# Altium PCB SysUprTestUUUp.PcbDoc (part 3 of 4) (continued)
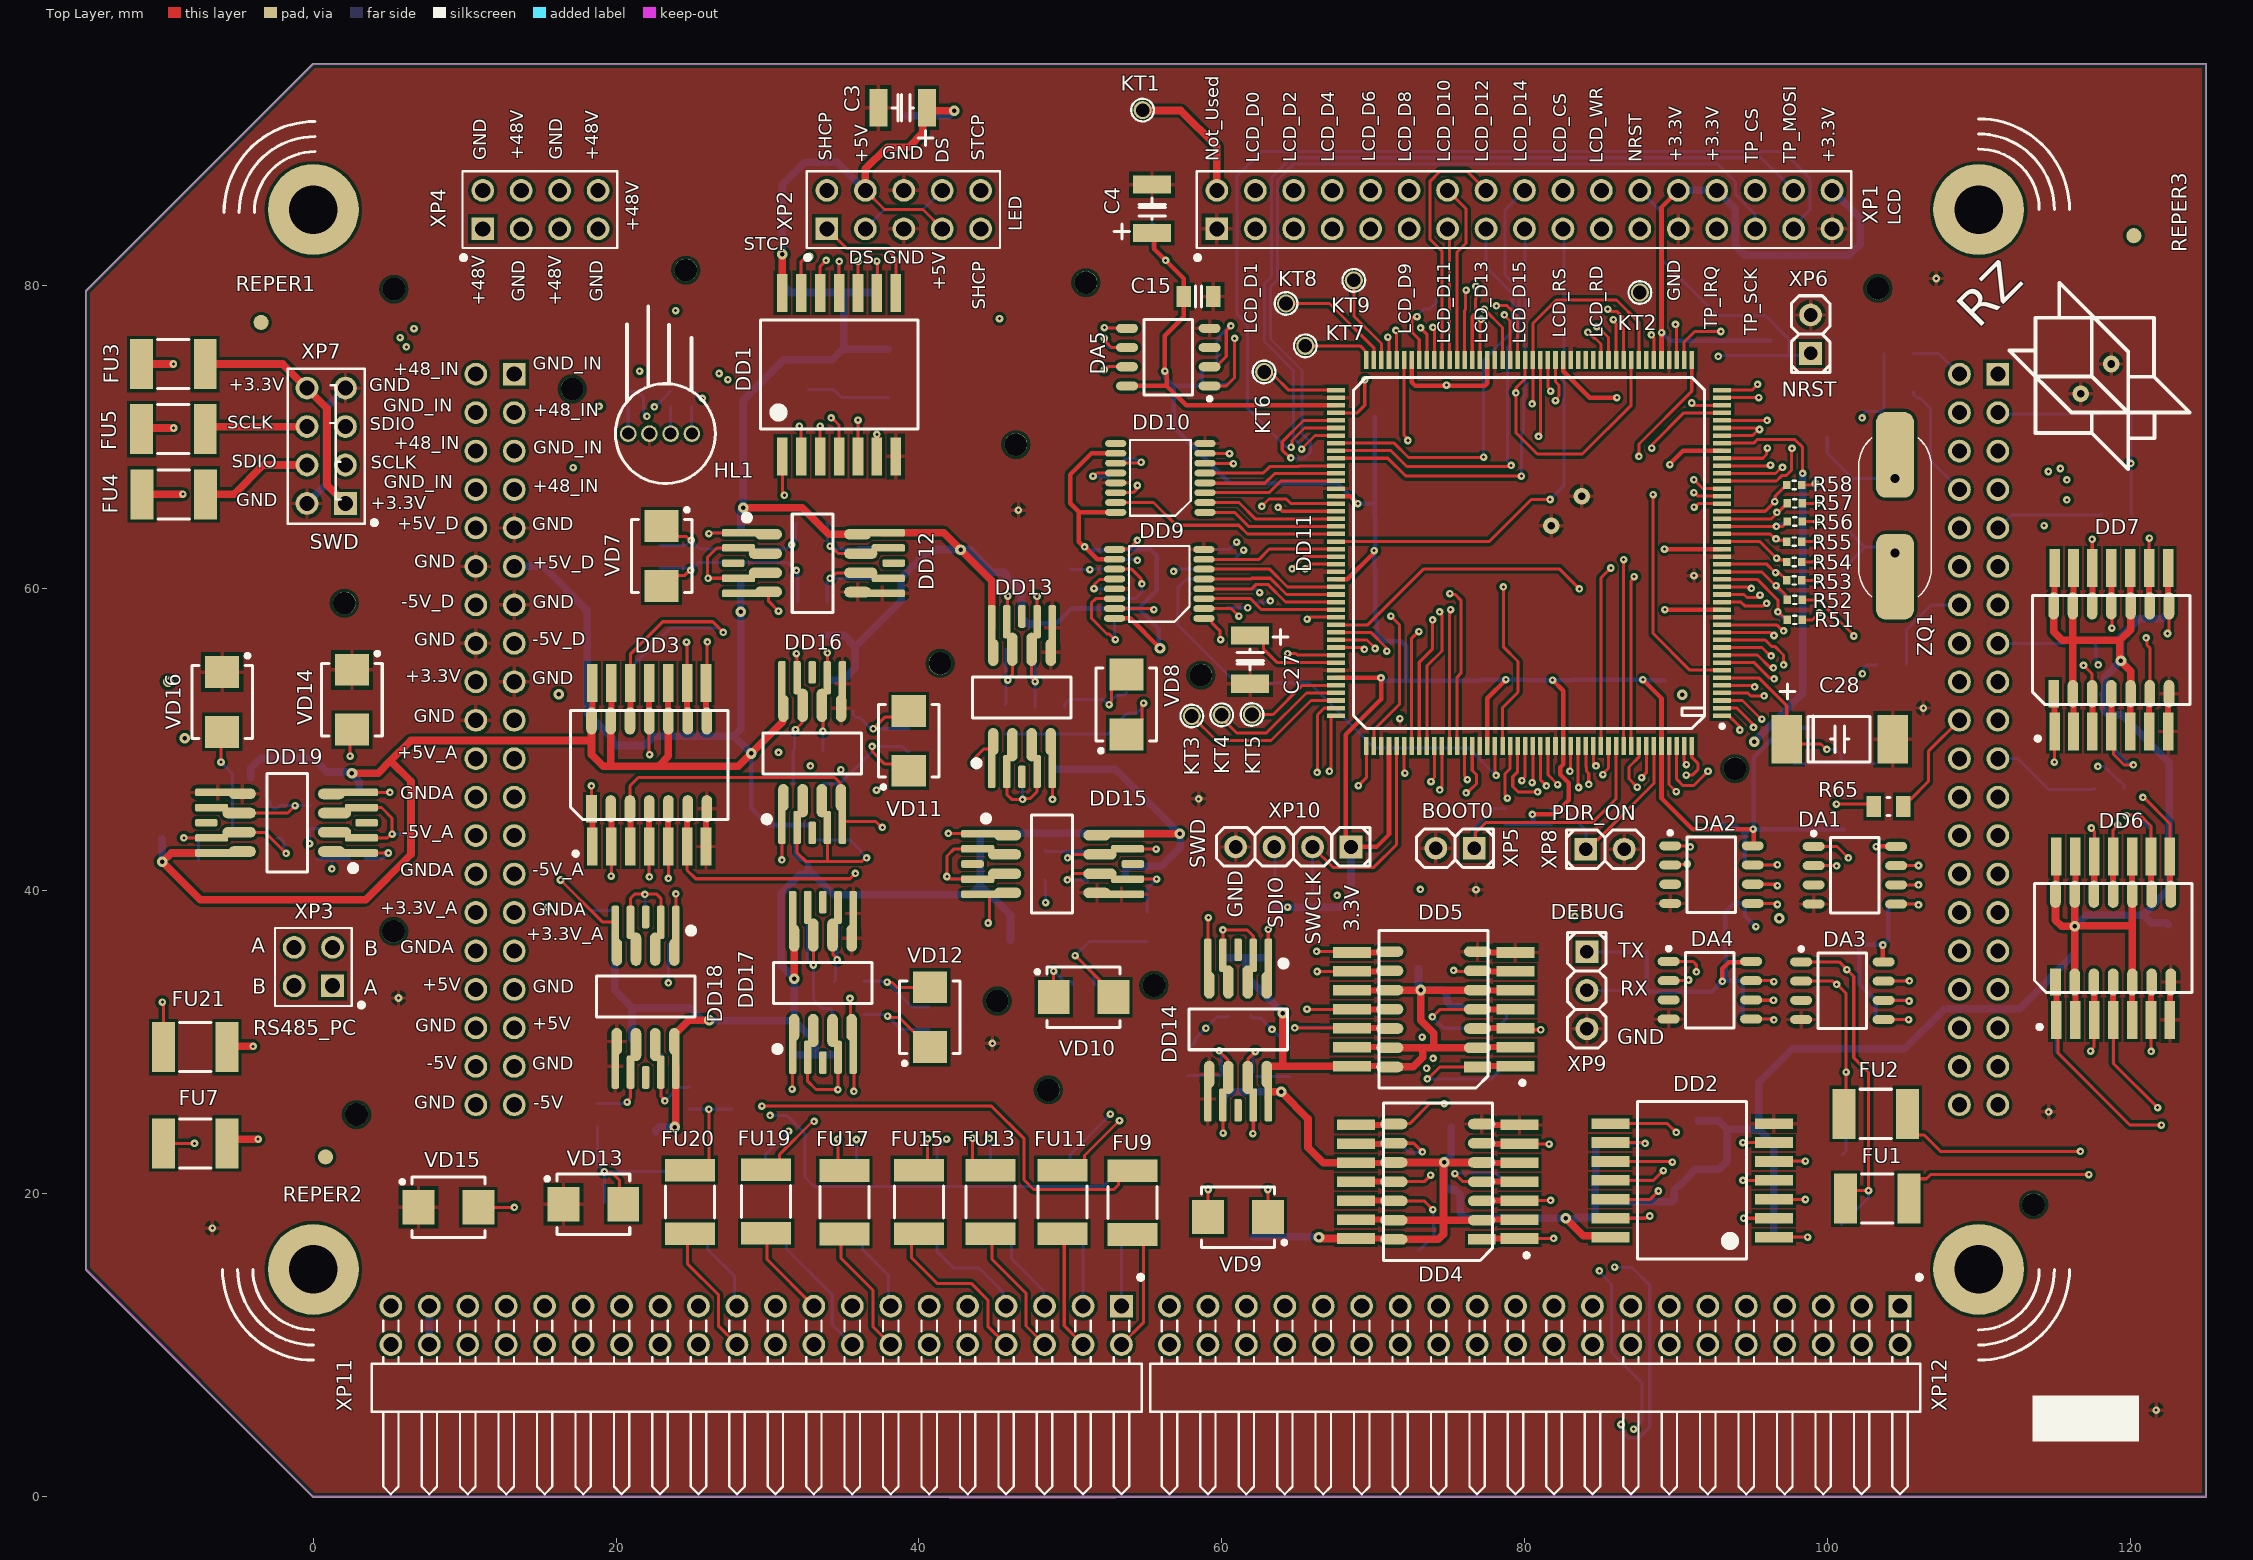
[diagram p0: Top Layer view]
## Nets (pads, with @x,y where several pads share a name; then routed paths per layer and width w, separated by ;. In a path a pad name is that pad's centre, name@x,y a point inside that pad or via, vN(x,y) a via of type N, cw(c..) or ccw(c..) an arc to the next point about the centre after c; other vN are vias at no path point) (continued)
  Top Layer w0.2: v1(63.075,37.45) 63.075,36.686 63.084,36.677 DD14.1@63.084,35.354
  Bottom Layer w0.2: R84.2@63.075,36.575 v1(63.075,37.45)
NetDD14_2: DD14.2 DD14.3 R85.2 | length 6
  Top Layer w0.2: DD14.3@60.084,35.754 60.084,36.677 60.075,36.686 v1(60.075,37.425) 61.675,37.425 62.084,37.016 DD14.2@62.084,35.754
  Bottom Layer w0.2: R85.2@60.075,36.575 v1(60.075,37.425)
NetDD14_6: DD14.6 R107.2 R113.2 R133.1 | length 8.9
  Top Layer w0.2: v1(59.825,29.425) 60.405,28.845 60.405,27.718 DD14.6@60.444,27.679 ; DD14.6@60.084,25.854 60.084,24.016 v1(60.1,24)
  Bottom Layer w0.2: R133.1@57.775,27.8 59.925,27.8 R113.2@60.125,28 59.999,28.126 59.999,29.197 59.825,29.371 v1(59.825,29.425) ; R107.2@60.075,25 60.075,24.025 v1(60.1,24)
NetDD14_7: DD14.7 R113.1 R119.2 R134.1 | length 8.5
  Top Layer w0.2: DD14.7@61.714,27.679 61.752,27.718 61.752,28.902 v1(62.225,29.375) ; v1(62.063,23.96) 62.084,23.981 DD14.7@62.084,25.854
  Bottom Layer w0.2: v1(62.063,23.96) 62.063,24.014 62.125,24.077 R119.2@62.125,25 ; R113.1@62.075,28 62.075,29.225 v1(62.225,29.375) ; R113.1@62.3,27.75 R134.1@64.475,27.75
NetDD15_1: DD15.1 R86.2 | length 3.4
  Top Layer w0.2: v1(41.95,43.8) 41.975,43.775 DD15.1@44.284,43.775
  Bottom Layer w0.2: v1(41.95,43.8) R86.2@43.05,43.8
NetDD15_2: DD15.2 DD15.3 R87.2 | length 7
  Top Layer w0.2: v1@41.85,40.775 DD15.3@43.884,40.775 ; v1@41.85,40.789 41.85,42.3 42.325,42.775 DD15.2@43.884,42.775
  Bottom Layer w0.2: v1(41.85,40.95) 41.931,40.95 42.081,40.8 R87.2@43.05,40.8
NetDD15_6: DD15.6 R108.2 R114.2 R135.1 | length 9.2
  Top Layer w0.2: v1(49.8,40.725) 50.21,41.135 DD15.6@51.959,41.135 ; DD15.6@53.784,40.775 54.707,40.775 v1(55.7,40.775)
  Bottom Layer w0.2: v1(49.8,40.725) 51.1,40.725 R114.2@51.175,40.65 ; R108.2@54.625,40.775 v1(55.7,40.775) 55.075,40.15 R135.1@55.075,38.6
NetDD15_7: DD15.7 R114.1 R120.2 R136.1 | length 8.5
  Top Layer w0.2: v1(49.825,42.175) 49.906,42.175 50.136,42.405 DD15.7@51.959,42.405 ; DD15.7@53.784,42.775 55.65,42.775 v1(55.675,42.75)
  Bottom Layer w0.2: R136.1@48.325,42.65 48.375,42.6 49.825,42.6 ; v1(49.825,42.175) 49.825,42.6 ; R114.1@51.175,42.6 49.825,42.6 ; R120.2@54.625,42.75 v1(55.675,42.75)
NetDD16_1: DD16.1 R88.2 | length 3.9
  Top Layer w0.2: v1(30.95,42.044) DD16.1@30.95,44.584
  Bottom Layer w0.2: R88.2@30.875,43.35 30.913,43.313 30.913,42.082 v1(30.95,42.044)
NetDD16_2: DD16.2 DD16.3 R89.2 | length 13.1
  Top Layer w0.2: DD16.2@31.95,44.184 31.95,42.525 32.525,41.95 33.95,41.95 ; DD16.3@33.95,44.184 33.95,41.95 ; v1(36.55,42.175) 36.469,42.175 36.244,41.95 33.95,41.95
  Bottom Layer w0.2: R89.2@32.825,43.35 35.475,43.35 36.14,42.685 36.14,42.585 v1(36.55,42.175)
NetDD16_6: DD16.6 R109.2 R115.2 R137.1 | length 6.8
  Top Layer w0.2: DD16.6@33.59,52.259 33.628,52.22 33.628,51.329 33.65,51.307 v1(33.65,50.55) ; DD16.6@33.95,54.084 v1(33.95,55.721)
  Bottom Layer w0.2: R115.2@33.65,49.279 v1(33.65,50.55) 33.65,50.604 33.7,50.654 R137.1@33.7,51.9 ; v1(33.95,55.721) 33.95,54.95 R109.2@33.975,54.925
NetDD16_7: DD16.7 R115.1 R121.2 R138.1 | length 7.8
  Top Layer w0.2: v1(31.85,50.65) 31.85,50.663 32.282,51.095 32.282,52.22 DD16.7@32.32,52.259 ; v1(31.9,55.675) 31.95,55.625 DD16.7@31.95,54.084
  Bottom Layer w0.2: R138.1@31.7,47.075 R115.1@31.7,49.279 31.778,49.357 31.778,50.524 31.85,50.596 v1(31.85,50.65) ; R121.2@31.875,54.925 31.875,55.65 v1(31.9,55.675)
NetDD17_1: DD17.1 R90.2 | length 3.8
  Top Layer w0.2: v1(31.624,26.905) 31.654,26.936 DD17.1@31.654,29.404
  Bottom Layer w0.2: v1(31.624,26.905) 31.637,26.918 31.637,28.175 R90.2@31.65,28.175
NetDD17_2: DD17.2 DD17.3 R91.2 | length 7.2
  Top Layer w0.2: DD17.2@32.654,29.004 32.654,27.421 33.2,26.875 v1(34.65,26.875) 34.65,28.077 34.654,28.081 DD17.3@34.654,29.004
  Bottom Layer w0.2: v1(34.65,26.875) R91.2@34.65,28.175
NetDD17_6: DD17.6 R110.2 R116.2 R139.1 | length 6.6
  Top Layer w0.2: DD17.6@34.294,37.079 34.333,37.041 34.333,35.772 34.6,35.504 v1(34.6,35.45)
  Bottom Layer w0.2: R139.1@34.425,34.029 34.478,34.082 34.478,35.274 34.6,35.396 v1(34.6,35.45) R116.2@34.6,36.8 34.65,36.85 R110.2@34.65,38.75
NetDD17_7: DD17.7 R116.1 R122.2 R140.1 | length 10
  Top Layer w0.2: v1@33.024,35.101 DD17.7@33.024,37.079
  Bottom Layer w0.2: R122.2@32.625,38.75 32.625,36.825 R116.1@32.65,36.8 32.65,35.485 33.025,35.11 v1(33.025,35.1) 33.025,32.825 33.607,32.243 34.2,32.243 34.2,32.05 R140.1@34.425,31.825
NetDD18_1: DD18.1 R95.2 | length 3.3
  Top Layer w0.2: DD18.1@23.95,37.525 v1(23.95,39.8)
  Bottom Layer w0.2: R95.2@23.95,38.75 v1(23.95,39.8)
NetDD18_6: DD18.6 R123.1 R127.2 R141.2 | length 7.4
  Top Layer w0.2: v1(20.725,26.05) 20.725,26.104 20.95,26.329 DD18.6@20.95,28.025
  Bottom Layer w0.2: R127.2@18.775,25.95 20.625,25.95 v1(20.725,26.05) 20.725,26.104 20.926,26.306 20.926,27.526 R123.1@20.95,27.55 21.05,27.65 R141.2@21.05,29.225
NetDD18_7: DD18.7 R103.1 R123.2 R124.2 | length 7.3
  Top Layer w0.2: DD18.7@22.95,28.025 22.95,26.454 23.225,26.179 v1(23.225,26.125)
  Bottom Layer w0.2: R103.1@23.025,29.204 23.025,27.675 R123.2@22.9,27.55 22.957,27.493 22.957,26.393 v1(23.225,26.125) 24.1,27 24.75,27 R124.2@24.825,27.075
NetDD19_1: DD19.1 R96.2 | length 3.9
  Top Layer w0.2: DD19.1@2.775,42.5 v1(4.95,42.5)
  Bottom Layer w0.2: R96.2@3.4,42.121 4.557,42.121 4.936,42.5 v1(4.95,42.5)
NetDD19_6: DD19.6 R125.1 R128.2 R142.2 | length 8.7
  Top Layer w0.2: DD19.6@-4.9,45.14 -1.693,45.14 v1(-1.208,45.625)
  Bottom Layer w0.2: R142.2@-3.125,47.475 -3.125,46.159 -2.866,45.9 -2.866,45.675 -2.641,45.45 R125.1@-2.416,45.45 -2.241,45.625 v1(-1.208,45.625) R128.2@-0.175,45.625
NetDD19_7: DD19.7 R104.1 R125.2 R126.2 | length 9.5
  Top Layer w0.2: v1(-8.55,43.5) DD19.7@-6.725,43.5 ; DD19.7@-4.9,43.87 -3.195,43.87 v1(-1.8,42.475)
  Bottom Layer w0.2: v1(-8.55,43.5) -8.525,43.525 R126.2@-7.475,43.525 -7.475,43.4 -7.575,43.3 R104.1@-7.575,42.05 ; R125.2@-2.416,43.5 -2.191,43.5 -1.966,43.275 -1.966,42.696 -1.8,42.529 v1(-1.8,42.475)
NetFU3_2: FU3.2 XP7.1 XP7.8 | length 16.1
  Top Layer w0.5: FU3.2@-7.15,74.8 -2.01,74.8 XP7.8@-0.42,73.21 0.9,71.89 0.9,66.81 XP7.1@2.12,65.59
NetFU4_2: FU4.2 XP7.4 XP7.5 | length 11.1
  Top Layer w0.5: FU4.2@-7.125,66.192 -5.233,66.192 -3.295,68.13 XP7.4@-0.42,68.13
  Mid-Layer 1 w0.5: XP7.4@-0.42,68.13 XP7.5@2.12,70.67
NetFU5_2: FU5.2 XP7.3 XP7.6 | length 10.4
  Top Layer w0.5: FU5.2@-7.15,70.496 -6.976,70.67 XP7.6@-0.42,70.67
  Mid-Layer 2 w0.5: XP7.6@-0.42,70.67 XP7.3@2.12,68.13
NetHL1_1: HL1.1 R99.2 | length 1.8
  Bottom Layer w0.2: R99.2@24.975,72 24.975,70.225 HL1.1@25,70.2
NetHL1_2: HL1.2 R94.2 | length 1.8
  Bottom Layer w0.2: HL1.2@23.6,70.2 R94.2@23.6,72
NetHL1_4: HL1.4 R100.2 | length 1.8
  Bottom Layer w0.2: HL1.4@20.8,70.2 R100.2@20.8,72
NetKT1_1: KT1.1 XP1.2 | length 8.8
  Top Layer w0.5: KT1.1@54.775,91.575 54.805,91.545 57.305,91.545 59.68,89.17 XP1.2@59.68,86.27
NetKT2_1: KT2.1 XP1.23 | length 4.2
  Mid-Layer 1 w0.2: XP1.23@87.62,83.73 87.62,79.53 KT2.1@87.625,79.525
NRST: DD11.31 R50.2 XP1.24 XP6.1 | length 33.9
  Top Layer w0.2: v1(91.195,67.155) 91.775,66.575 DD11.31@93.05,66.575
  Mid-Layer 1 w0.2: v1(91.195,67.155) 91.6,67.56 91.6,74.1 v1(92.8,75.3)
  Bottom Layer w0.2: XP1.24@87.62,86.27 88.975,84.915 88.975,81.8 92.775,78 95.9,78 97.488,76.412 97.488,75.35 ; v1(92.8,75.3) 92.854,75.3 92.904,75.35 R50.2@96.225,75.35 97.488,75.35 ; XP6.1@98.9,75.5 98.75,75.35 97.488,75.35
OTG_FS_DM: DD11.122 XS2.40 | length 69.8
  Top Layer w0.2: DD11.122@67.55,56.575 69.6,56.575 70.136,56.039 v1(70.136,56.011)
  Mid-Layer 1 w0.2: v1(70.136,56.011) 70.136,55.93 69.975,55.769 69.975,47.675 72.075,45.575 72.075,36.3 75.075,33.3 75.075,30.85 73.345,29.12 73.345,28.55 73.543,28.352 v1(73.543,28.282)
  Mid-Layer 2 w0.2: v1(73.543,28.282) 73.548,28.288 74.093,28.288 74.193,28.388 79.512,28.388 81.35,26.55 108.05,26.55 XS2.40@108.73,25.87
OTG_FS_DP: DD11.123 XS2.37 | length 70.4
  Top Layer w0.2: DD11.123@67.55,56.075 69.3,56.075 v1(69.425,55.95)
  Mid-Layer 1 w0.2: v1(69.425,55.95) 69.425,47.45 71.675,45.2 71.675,36.134 74.675,33.134 74.675,31.15 73.841,30.316 73.259,30.316 v1(73.236,30.339)
  Mid-Layer 2 w0.2: v1(73.236,30.339) 78.886,30.339 81.865,27.36 110.22,27.36 XS2.37@111.27,28.41
OTG_FS_ID: DD11.121 XS2.39 | length 72.3
  Top Layer w0.2: DD11.121@67.55,57.075 69.85,57.075 70.854,56.071 70.854,55.893 v1(70.911,55.836)
  Mid-Layer 1 w0.2: v1(70.911,55.836) 71.2,55.547 71.2,47.1 72.575,45.725 72.575,36.425 75.525,33.475 75.525,30.491 74.383,29.349 v1(73.972,28.938)
  Mid-Layer 2 w0.2: v1(73.972,28.938) 74.384,29.35 79.309,29.35 81.699,26.96 110.14,26.96 111.23,25.87 XS2.39@111.27,25.87
PDR_ON: DD11.171 R79.2 XP8.1 | length 12.9
  Top Layer w0.2: XP8.1@84.05,42.75 84.65,43.35 84.8,43.35 88.55,47.1 DD11.171@88.55,49.575
  Bottom Layer w0.2: R79.2@81.725,45.4 82.675,45.4 84.05,44.025 XP8.1@84.05,42.75
RCC_OSC_IN: C24.2 DD11.29 R78.2 ZQ1.2 | length 24.3
  Top Layer w0.2: v1(91.207,65.35) 91.258,65.35 91.483,65.575 DD11.29@93.05,65.575
  Mid-Layer 1 w0.2: v1(91.207,65.35) v1@91.261,65.35 ; ZQ1.2@104.001,62.799 ZQ1.2@104.475,62.325
  Mid-Layer 2 w0.2: v1(91.207,65.35) 93.982,62.575 104.225,62.575 ZQ1.2@104.475,62.325
  Bottom Layer w0.2: R78.2@100.975,64.675 101.2,64.675 101.525,64.35 101.525,63.65 102.513,62.663 ; C24.2@101,61.15 101.225,61.15 101.55,61.475 101.55,61.775 102.475,62.7 ; 102.549,62.699 104.101,62.699 ZQ1.2@104.475,62.325
RCC_OSC_OUT: C25.2 DD11.30 R78.1 ZQ1.1 | length 23.8
  Top Layer w0.2: v1(91.194,66.306) 91.239,66.306 91.47,66.075 DD11.30@93.05,66.075
  Mid-Layer 1 w0.2: ZQ1.1@103.85,67.85 ZQ1.1@104.475,67.225
  Mid-Layer 2 w0.2: v1(91.194,66.306) 103.299,66.306 104.218,67.225 ZQ1.1@104.475,67.225
  Bottom Layer w0.2: C25.2@100,69.975 100,68.926 101.701,67.225 ; R78.1@100.975,66.625 101.2,66.625 101.525,66.95 101.525,67.049 101.701,67.225 ; ZQ1.1@104.475,67.225 101.701,67.225
RS485_A_PC: FU7.2 XP3.1 XP3.4 | length 17.9
  Top Layer w0.5: FU7.2@-5.7,23.323 -5.423,23.6 v1(-3.65,23.6)
  Mid-Layer 1 w0.5: v1(-3.65,23.6) 1.27,28.52 XP3.1@1.27,33.73 0.77,34.23 XP3.4@-1.27,36.27
RS485_A_PCB: FU6.2 XP11.21 | length 6.4
  Bottom Layer w0.2: FU6.2@24.875,17.379 25.425,17.379 26.025,16.779 26.025,16.35 27.831,14.544 27.831,12.719 XP11.21@27.98,12.57
RS485_B_PC: FU21.2 XP3.2 XP3.3 | length 10.5
  Top Layer w0.5: FU21.2@-5.7,29.675 -5.65,29.725 v1(-3.975,29.725)
  Mid-Layer 1 w0.5: v1(-3.975,29.725) -1.27,32.43 XP3.2@-1.27,33.73
  Mid-Layer 2 w0.5: XP3.2@-1.27,33.73 XP3.3@1.27,36.27
RS485_B_PCB: FU20.2 XP11.22 | length 8.8
  Top Layer w0.2: FU20.2@24.875,17.354 24.7,17.179 24.7,15.375 26.775,13.3 26.775,11.235 XP11.22@27.98,10.03
RS485_DI: DD11.42 DD18.4 R101.2 | length 117.7
  Top Layer w0.2: v1(16.325,40.718) 19.085,37.958 19.802,37.958 19.95,37.81 DD18.4@19.95,37.525 ; v1(91.05,72.225) 91.05,72.192 91.167,72.075 DD11.42@93.05,72.075
  Mid-Layer 1 w0.2: v2(16.2,52.975) 16.2,40.924 16.325,40.799 v1(16.325,40.718) ; v2(90.425,52.95) 90.425,71.6 v1(91.05,72.225)
  Mid-Layer 2 w0.2: v2(16.2,52.975) 16.225,52.95 v2(90.425,52.95)
  Bottom Layer w0.2: v1(16.325,40.718) 18.343,38.7 R101.2@19.9,38.7
RS485_DI_PC: DD11.79 DD19.4 R102.1 | length 105.9
  Top Layer w0.2: DD19.4@2.775,46.5 v1(5.05,46.5) ; v1(73.95,77.224) 73.95,77.169 74.05,77.069 DD11.79@74.05,75.075
  Mid-Layer 1 w0.2: v1(5.05,46.5) 5.05,75.875 5.713,76.538 v1(5.737,76.538)
  Mid-Layer 2 w0.2: v1(5.737,76.538) 16.269,76.538 17.257,75.55 63.109,75.55 64.059,74.6 71.326,74.6 v1(73.95,77.224)
  Bottom Layer w0.2: R102.1@4.025,46.5 v1(5.05,46.5)
RS485_EN: DD11.119 DD18.2 DD18.3 R97.2 | length 73.6
  Top Layer w0.2: DD18.3@20.95,37.925 20.95,39.507 21.243,39.8 22.657,39.8 22.95,39.507 DD18.2@22.95,37.925 ; v1(65.65,57.95) 65.706,57.95 65.831,58.075 DD11.119@67.55,58.075
  Mid-Layer 1 w0.2: v1(65.65,57.95) 65.7,57.9 65.7,46.1 67.475,44.325 67.475,39.931 67.625,39.781 v1(67.625,39.7)
  Mid-Layer 2 w0.2: v1(21.9,39.775) 23.197,39.775 23.722,39.25 24.178,39.25 24.703,39.775 56.075,39.775 56.15,39.7 v1(67.625,39.7)
  Bottom Layer w0.2: R97.2@21.9,38.775 v1(21.9,39.775)
RS485_EN_PC: DD11.92 DD19.2 DD19.3 R98.2 | length 107.5
  Top Layer w0.2: DD19.2@3.175,43.5 4.896,43.5 5.146,43.75 v1(5.2,43.75) 5.2,44.8 4.5,45.5 DD19.3@3.175,45.5 ; DD11.92@67.55,71.575 68.95,71.575 69.45,72.075 v1(69.45,73.75)
  Mid-Layer 1 w0.2: v1(5.2,43.75) 6.267,44.817 6.267,75.767 6.15,75.884 v1(6.15,75.938)
  Mid-Layer 2 w0.2: v1(6.15,75.938) 6.162,75.95 16.15,75.95 16.975,75.125 40.284,75.125 42.159,73.25 68.95,73.25 v1(69.45,73.75)
  Bottom Layer w0.2: v1(5.2,43.75) R98.2@6.125,43.75
RS485_RO: DD11.47 R92.2 R95.1 | length 122.2
  Top Layer w0.2: v1(89.975,77.425) 90.05,77.35 DD11.47@90.05,75.075
  Mid-Layer 1 w0.2: v1(23.45,33.925) 22.9,34.475 22.9,66.491 26.25,69.841 26.25,76 v1(23.925,78.325)
  Mid-Layer 2 w0.2: v1(23.925,78.325) 23.95,78.35 61.25,78.35 62.725,79.825 65.825,79.825 67.3,78.35 71.875,78.35 72.4,78.875 73.816,78.875 75.491,77.2 79.1,77.2 79.75,77.85 84.975,77.85 85.647,77.178 87.618,77.178 87.865,77.425 v1(89.975,77.425)
  Bottom Layer w0.2: v1(23.45,33.925) R92.2@23.45,36.425 23.45,36.45 23.475,36.45 23.95,36.925 R95.1@23.95,37.75
RS485_RO_PC: DD11.80 R93.2 R96.1 | length 112.1
  Top Layer w0.2: v1(73.137,77.188) 73.55,76.775 DD11.80@73.55,75.075
  Mid-Layer 1 w0.2: v1(1.225,41.45) 1.225,42.975 4.4,46.15 4.4,76.05 5.525,77.175 6.613,77.175 v1(6.65,77.138)
  Mid-Layer 2 w0.2: v1(6.65,77.138) 16.637,77.138 17.825,75.95 63.275,75.95 64.225,75 71.025,75 73.137,77.112 v1(73.137,77.188)
  Bottom Layer w0.2: R93.2@0.275,42.075 0.275,42.1 0.471,42.1 0.492,42.121 1.225,42.121 ; v1(1.225,41.45) 1.225,42.121 ; R96.1@2.4,42.121 1.225,42.121
SDIO: DD11.124 FU4.1 R144.1 VD4.KA2 XP10.3 | length 106.4
  Top Layer w0.2: FU4.1@-11.325,66.192 -8.633,66.192 v1(-8.625,66.2) ; v1(64.35,55.675) 64.9,55.675 65,55.575 DD11.124@67.55,55.575
  Top Layer w0.5: FU4.1@-11.325,66.192 -11.317,66.2 v1(-8.625,66.2)
  Mid-Layer 1 w0.2: XP10.3@63.46,42.9 64.375,43.815 64.375,55.65 v1(64.35,55.675)
  Mid-Layer 2 w0.2: v1(-8.625,66.2) -3.406,60.981 2.475,55.1 27.95,55.1 30,57.15 62.875,57.15 v1(64.35,55.675)
  Bottom Layer w0.2: XP10.3@63.46,42.9 63.525,42.835 R144.1@63.525,39.925
  Bottom Layer w0.5: VD4.KA2@-11.05,65.996 -10.846,66.2 v1(-8.625,66.2)
SHCP_CLK: DD11.3 XS2.36 | length 31.9
  Top Layer w0.2: DD11.3@93.05,52.575 94.4,52.575 95.629,51.346 v1(95.681,51.346)
  Mid-Layer 2 w0.2: v1(95.681,51.346) 95.719,51.309 97.091,51.309 105.075,43.325 105.075,36.484 107.019,34.54 109.165,34.54 109.78,33.925 109.78,32 XS2.36@108.73,30.95
SPI1_CLK: DD11.161 DD14.4 | length 38.8
  Top Layer w0.2: DD14.4@59.084,35.354 59.084,38.129 59.125,38.171 v1(59.125,38.225) ; DD11.161@83.55,49.575 83.55,46.854 v1(83.575,46.829)
  Mid-Layer 1 w0.2: v1(83.325,38.325) 82.95,38.7 82.95,45.225 83.55,45.825 83.55,46.804 v1(83.575,46.829)
  Mid-Layer 2 w0.2: v1(59.125,38.225) 59.179,38.225 59.279,38.325 v1(83.325,38.325)
SPI1_MISO: DD11.162 DD13.1 | length 46.3
  Top Layer w0.2: v1(43.666,48.45) 43.703,48.487 43.703,48.794 44.294,49.384 44.72,49.384 44.905,49.569 DD13.1@44.905,49.854 ; DD11.162@84.05,49.575 84.05,48.218 84.112,48.156 84.112,47.881 84.245,47.748 v1(84.245,47.031)
  Mid-Layer 2 w0.2: v1(43.666,48.45) 83.325,48.45 84.207,47.568 84.207,47.069 v1(84.245,47.031)
SPI1_MOSI: DD11.163 DD12.4 | length 66.7
  Top Layer w0.2: DD12.4@30.059,59.75 30.075,59.734 30.075,59.126 v1(30.726,58.475) ; DD11.163@84.55,49.575 84.55,48.425 v1(84.725,48.25)
  Mid-Layer 1 w0.2: v1(30.726,49.15) v1(30.726,58.475)
  Mid-Layer 2 w0.2: v1(30.726,49.15) 35.357,49.15 35.557,48.95 39.686,48.95 39.786,49.05 43.914,49.05 44.014,48.95 84.025,48.95 v1(84.725,48.25)
SPI1_SS: DD11.50 DD15.4 | length 88.6
  Top Layer w0.2: DD15.4@44.284,39.775 44.51,39.775 44.659,39.627 44.659,38.04 44.575,37.956 v1(44.575,37.875) ; v1(88.375,76.725) 88.55,76.55 DD11.50@88.55,75.075
  Mid-Layer 1 w0.2: v1(44.575,37.875) 44.575,77.05 v1(45.325,77.8)
  Mid-Layer 2 w0.2: v1(45.325,77.8) 45.382,77.857 45.575,77.857 45.592,77.875 72.072,77.875 72.672,78.475 73.65,78.475 75.325,76.8 83.4,76.8 83.875,76.325 87.975,76.325 v1(88.375,76.725)
SPI_CLK_PCB+: FU12.2 XP11.5 | length 6.8
  Bottom Layer w0.2: FU12.2@44.725,17.35 45.625,17.35 46.125,16.85 46.125,15.7 48.231,13.594 48.231,12.639 XP11.5@48.3,12.57
SPI_CLK_PCB-: FU13.2 XP11.6 | length 8.8
  Top Layer w0.2: FU13.2@44.725,17.35 44.825,17.25 44.825,15.675 47.075,13.425 47.075,11.255 XP11.6@48.3,10.03
SPI_MISO_PCB+: FU10.2 XP11.3 | length 5.8
  Bottom Layer w0.2: FU10.2@49.475,17.35 50.24,17.35 50.84,16.75 XP11.3@50.84,12.57
SPI_MISO_PCB-: FU11.2 XP11.4 | length 7.9
  Top Layer w0.2: FU11.2@49.475,17.35 49.6,17.225 49.6,11.27 XP11.4@50.84,10.03
SPI_MOSI_PCB+: FU8.2 XP11.1 | length 5.1
  Bottom Layer w0.2: XP11.1@53.38,12.57 53.38,16.7 53.98,17.3 FU8.2@54.104,17.3
SPI_MOSI_PCB-: FU9.2 XP11.2 | length 8.3
  Top Layer w0.2: XP11.2@53.38,10.03 54.85,11.5 54.85,16.704 54.25,17.304 FU9.2@54.104,17.304
SPI_SS_PCB+: FU14.2 XP11.7 | length 8.5
  Bottom Layer w0.2: FU14.2@40,17.35 40.607,17.35 41.207,16.75 41.207,16.168 42.3,15.075 43.975,15.075 45.571,13.479 45.571,12.759 XP11.7@45.76,12.57
SPI_SS_PCB-: FU15.2 XP11.8 | length 11.4
  Top Layer w0.2: FU15.2@40,17.35 39.5,16.85 39.5,15.775 41.2,14.075 43.45,14.075 44.55,12.975 44.55,11.24 XP11.8@45.76,10.03
SR0_CP: DD8.15 DD11.168 | length 46.1
  Top Layer w0.2: DD11.168@87.05,49.575 87.05,60.491 87.25,60.691 v1(87.25,60.758)
  Mid-Layer 2 w0.2: v1(54.425,61.825) 66.818,61.825 67.868,60.775 86.844,60.775 86.849,60.781 87.227,60.781 v1(87.25,60.758)
  Bottom Layer w0.2: DD8.15@52.925,61.9 54.296,61.9 54.371,61.825 v1(54.425,61.825)
SR1_CP: DD8.1 DD11.167 | length 40.8
  Top Layer w0.2: DD11.167@86.55,49.575 v1(86.55,61.875)
  Mid-Layer 2 w0.2: v1(60.992,63.033) 61.03,63.071 61.169,63.071 61.198,63.1 67.025,63.1 68.25,61.875 v1(86.55,61.875)
  Bottom Layer w0.2: DD8.1@58.825,62.55 60.492,62.55 60.975,63.033 v1(60.992,63.033)
SR2_CP: DD8.2 DD11.164 | length 39.7
  Top Layer w0.2: DD11.164@85.05,49.575 85.05,60.675 v1(85.7,61.325)
  Mid-Layer 2 w0.2: v1(61.446,62.5) 66.85,62.5 68.025,61.325 v1(85.7,61.325)
  Bottom Layer w0.2: DD8.2@58.825,61.9 60.9,61.9 60.9,61.954 v1(61.446,62.5)
SR3_CP: DD8.3 DD11.151 | length 35.6
  Top Layer w0.2: DD11.151@78.55,49.575 78.55,52.1 79.575,53.125 79.575,55.15 78.6,56.125 v1(78.6,60.075)
  Mid-Layer 2 w0.2: v1(56.825,61.1) 63.925,61.1 64.75,60.275 78.333,60.275 78.533,60.075 v1(78.6,60.075)
  Bottom Layer w0.2: v1(56.825,61.1) 56.879,61.1 57.029,61.25 DD8.3@58.825,61.25
SR4_CP: DD8.4 DD11.150 | length 31.5
  Top Layer w0.2: DD11.150@78.05,49.575 78.05,47.781 78.125,47.706 v1(78.125,47.625)
  Bottom Layer w0.2: DD8.4@58.825,60.6 57.675,60.6 57.125,60.05 57.125,57.55 60.95,53.725 65.8,53.725 70.1,49.425 76.325,49.425 v1(78.125,47.625)
SR5_CP: DD8.5 DD11.145 | length 27
  Top Layer w0.2: v1(75.071,59.629) 75.11,59.59 75.41,59.59 75.8,59.2 75.8,54.368 75.55,54.118 DD11.145@75.55,49.575
  Mid-Layer 2 w0.2: v1(62.51,59.7) 74.919,59.7 74.99,59.629 v1(75.071,59.629)
  Bottom Layer w0.2: DD8.5@58.825,59.95 62.243,59.95 62.493,59.7 v1(62.51,59.7)
SR6_CP: DD8.6 DD11.144 | length 25.8
  Top Layer w0.2: DD11.144@75.05,49.575 75.05,58.308 75.068,58.325 75.068,58.518 v1(75.125,58.575)
  Mid-Layer 2 w0.2: v1(63.211,59.15) 63.292,59.15 63.442,59.3 74.4,59.3 v1(75.125,58.575)
  Bottom Layer w0.2: DD8.6@58.825,59.3 61.95,59.3 62.2,59.05 62.933,59.05 62.976,59.092 63.154,59.092 v1(63.211,59.15)
SR7_CP: DD8.7 DD11.141 | length 25.3
  Top Layer w0.2: DD11.141@73.55,49.575 73.55,54.85 74.55,55.85 74.55,58.221 74.39,58.381 v1(74.39,58.435)
  Mid-Layer 2 w0.2: v1(61.721,58.7) 61.778,58.643 61.945,58.643 61.988,58.6 63.475,58.6 63.775,58.9 71.278,58.9 71.723,58.455 74.37,58.455 v1(74.39,58.435)
  Bottom Layer w0.2: DD8.7@58.825,58.65 60.324,58.65 60.374,58.7 v1(61.721,58.7)
SR8_CP: DD9.15 DD11.140 | length 30.5
  Top Layer w0.2: DD9.15@52.925,58.65 55.369,58.65 55.444,58.575 v1(55.525,58.575) ; DD11.140@73.05,49.575 73.05,55.1 73.912,55.962 73.912,57.884 v1(73.933,57.905)
  Mid-Layer 2 w0.2: v1(55.525,58.575) 55.575,58.625 58.023,58.625 59.098,57.55 65.272,57.55 65.422,57.4 72.4,57.4 72.905,57.905 v1(73.933,57.905)
SR9_CP: DD9.1 DD11.139 | length 24.4
  Top Layer w0.2: DD9.1@58.825,58 59.231,58 59.346,57.885 59.346,57.704 59.9,57.15 59.9,56.625 v1(59.925,56.6) ; DD11.139@72.55,49.575 72.55,56.681 72.994,57.125 v1(73.025,57.125)
  Mid-Layer 2 w0.2: v1(59.925,56.6) 61.4,55.125 66.213,55.125 67.649,56.561 72.461,56.561 v1(73.025,57.125)
SR10_CP: DD9.2 DD11.134 | length 22.4
  Top Layer w0.2: DD9.2@58.825,58.65 60.629,58.65 v1(61.129,58.15) ; DD11.134@70.05,49.575 70.05,50.625 71.75,52.325 71.75,57.575 v1(71.175,58.15)
  Mid-Layer 2 w0.2: v1(61.129,58.15) 63.6,58.15 63.95,58.5 70.747,58.5 71.097,58.15 v1(71.175,58.15)
SR11_CP: DD9.3 DD11.118 | length 9
  Top Layer w0.2: DD9.3@58.825,59.3 61.898,59.3 62.623,58.575 DD11.118@67.55,58.575
SR12_CP: DD9.4 DD11.117 | length 9.3
  Top Layer w0.2: DD9.4@58.825,59.95 61.982,59.95 62.282,60.25 63.044,60.25 64.219,59.075 DD11.117@67.55,59.075
SR13_CP: DD9.5 DD11.116 | length 9.2
  Top Layer w0.2: DD9.5@58.825,60.6 61.925,60.6 61.975,60.65 63.209,60.65 64.284,59.575 DD11.116@67.55,59.575
SR14_CP: DD9.6 DD11.115 | length 9.2
  Top Layer w0.2: DD9.6@58.825,61.25 63.175,61.25 64.35,60.075 DD11.115@67.55,60.075
SR15_CP: DD9.7 DD11.110 | length 9
  Top Layer w0.2: DD9.7@58.825,61.9 62.475,61.9 63.15,62.575 DD11.110@67.55,62.575
SR16_CP: DD10.15 DD11.108 | length 15.4
  Top Layer w0.2: DD10.15@53,65.65 55.5,65.65 57,64.15 61.134,64.15 61.709,63.575 DD11.108@67.55,63.575
SR17_CP: DD10.1 DD11.107 | length 9
  Top Layer w0.2: DD10.1@58.9,65 60.85,65 61.775,64.075 DD11.107@67.55,64.075
SR18_CP: DD10.2 DD11.106 | length 9.1
  Top Layer w0.2: DD10.2@58.9,65.65 61.15,65.65 62.225,64.575 DD11.106@67.55,64.575
SR19_CP: DD10.3 DD11.101 | length 9
  Top Layer w0.2: DD10.3@58.9,66.3 63.125,66.3 63.9,67.075 DD11.101@67.55,67.075
SR20_CP: DD10.4 DD11.100 | length 8.9
  Top Layer w0.2: DD10.4@58.9,66.95 58.925,66.925 62.85,66.925 63.5,67.575 DD11.100@67.55,67.575
SR21_CP: DD10.5 DD11.99 | length 8.8
  Top Layer w0.2: DD10.5@58.9,67.6 62.75,67.6 63.168,68.018 65.08,68.018 65.137,68.075 DD11.99@67.55,68.075
SR22_CP: DD10.6 DD11.83 | length 19.6
  Top Layer w0.2: DD10.6@58.9,68.25 58.927,68.223 60.773,68.223 v1(60.775,68.225) ; DD11.83@72.05,75.075 72.05,70.08 72.298,69.831 v1(72.298,69.75)
  Mid-Layer 2 w0.2: v1(60.775,68.225) 62.402,69.852 72.031,69.852 72.075,69.807 72.241,69.807 v1(72.298,69.75)
SR23_CP: DD10.7 DD11.65 | length 27.8
  Top Layer w0.2: DD10.7@58.9,68.9 58.912,68.888 60.505,68.888 v1(60.517,68.876) ; v1(80.925,70.025) 80.925,70.081 81.05,70.206 DD11.65@81.05,75.075
  Mid-Layer 2 w0.2: v1(60.517,68.876) 60.553,68.876 61.977,70.3 80.65,70.3 v1(80.925,70.025)
SR_DS_PCB: DD8.14 R75.2 XP12.23 | length 91.9
  Mid-Layer 1 w0.2: v1(51.294,61.219) 51.294,61.138 50.965,60.809 50.965,14.89 49.7,13.625 49.7,7.425 50.875,6.25 75.85,6.25 78.175,8.575 78.175,11.264 XP12.23@76.869,12.57
  Bottom Layer w0.2: R75.2@50.012,61.25 50.027,61.234 51.279,61.234 v1(51.294,61.219) ; v1@51.275,61.25 DD8.14@52.925,61.25
SR_SHCP_PCB: DD8.11 DD9.11 DD10.11 R76.2 XP12.25 | length 96.8
  Top Layer w0.2: DD9.11@52.925,61.25 52.928,61.248 54.052,61.248 54.687,60.613 54.687,60.313 v1(54.725,60.275) ; DD10.11@53,68.25 54.563,68.25 54.624,68.312 v1(54.678,68.312)
  Mid-Layer 1 w0.2: v1(54.678,68.312) 54.678,68.258 55.025,67.911 55.025,60.575 v1(54.725,60.275) 51.965,57.515 51.965,16.31 55.1,13.175 55.1,8.075 55.925,7.25 74.425,7.25 75.65,8.475 75.65,11.249 XP12.25@74.329,12.57
  Bottom Layer w0.2: DD8.11@52.925,59.3 54.3,59.3 54.725,59.725 v1(54.725,60.275) ; R76.2@53.55,68.529 53.646,68.529 53.65,68.525 54.411,68.525 54.624,68.312 v1(54.678,68.312)
SR_STCP_PCB: DD8.12 DD9.12 DD10.12 R77.2 XP12.24 | length 92.7
  Top Layer w0.2: v1(51.5,67.4) 51.554,67.4 51.754,67.6 DD10.12@53,67.6 ; v1(51.565,59.963) 51.603,60.001 51.603,60.253 51.921,60.571 52.896,60.571 DD9.12@52.925,60.6
  Mid-Layer 1 w0.2: v1(51.5,67.4) 51.95,66.95 51.95,60.348 v1(51.565,59.963) 51.565,59.909 51.465,59.809 51.465,14.935 52.211,14.189 52.211,9.064 54.525,6.75 75.125,6.75 76.869,8.494 XP12.24@76.869,10.03
  Bottom Layer w0.2: v1(51.5,67.4) 51.554,67.4 51.629,67.325 52.45,67.325 R77.2@52.55,67.325 ; v1(51.565,59.963) 51.578,59.95 DD8.12@52.925,59.95